# Altium PCB GD32F450_Main_Board(Camera).PcbDoc
Units mil, origin at the board's own origin, x right, y up, seen from the top; angles counter-clockwise.
Board outline 4921.43 x 2952.92 mil, 2 copper layers (Top Layer, Bottom Layer); 74 components, 72 nets, 342 pads, 46 vias.
Unrouted connection lines stored in the file: 67.
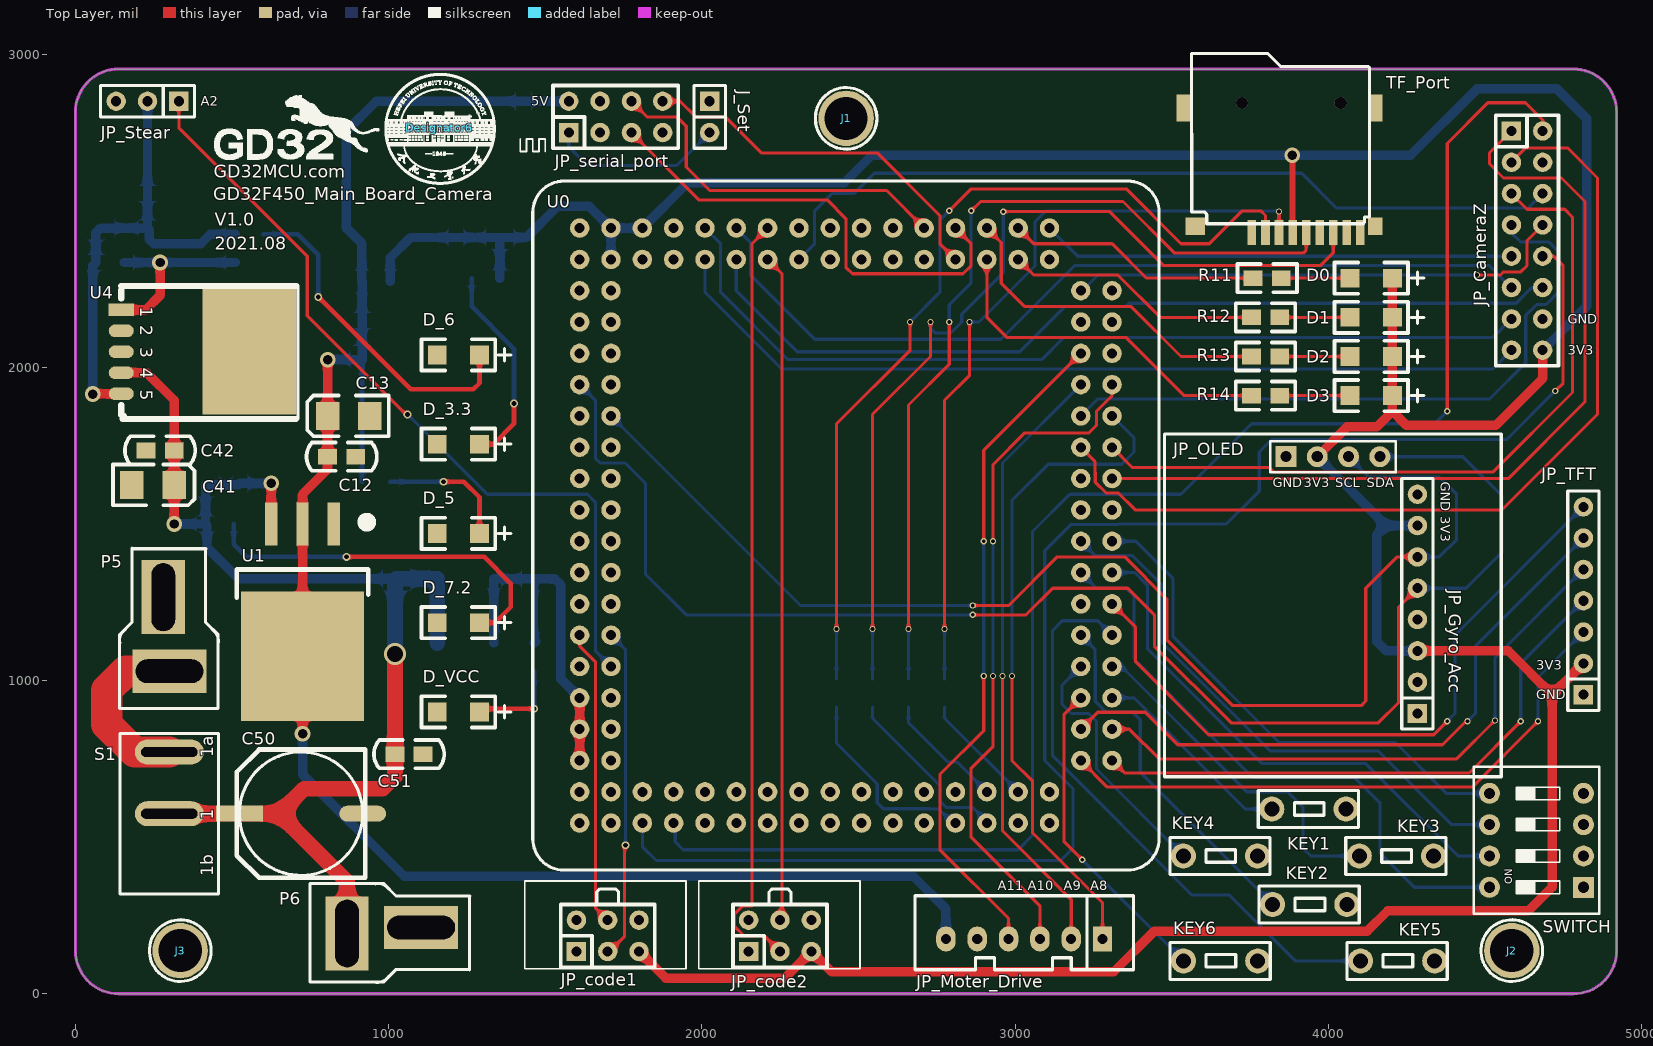
[diagram p0: Top Layer view]
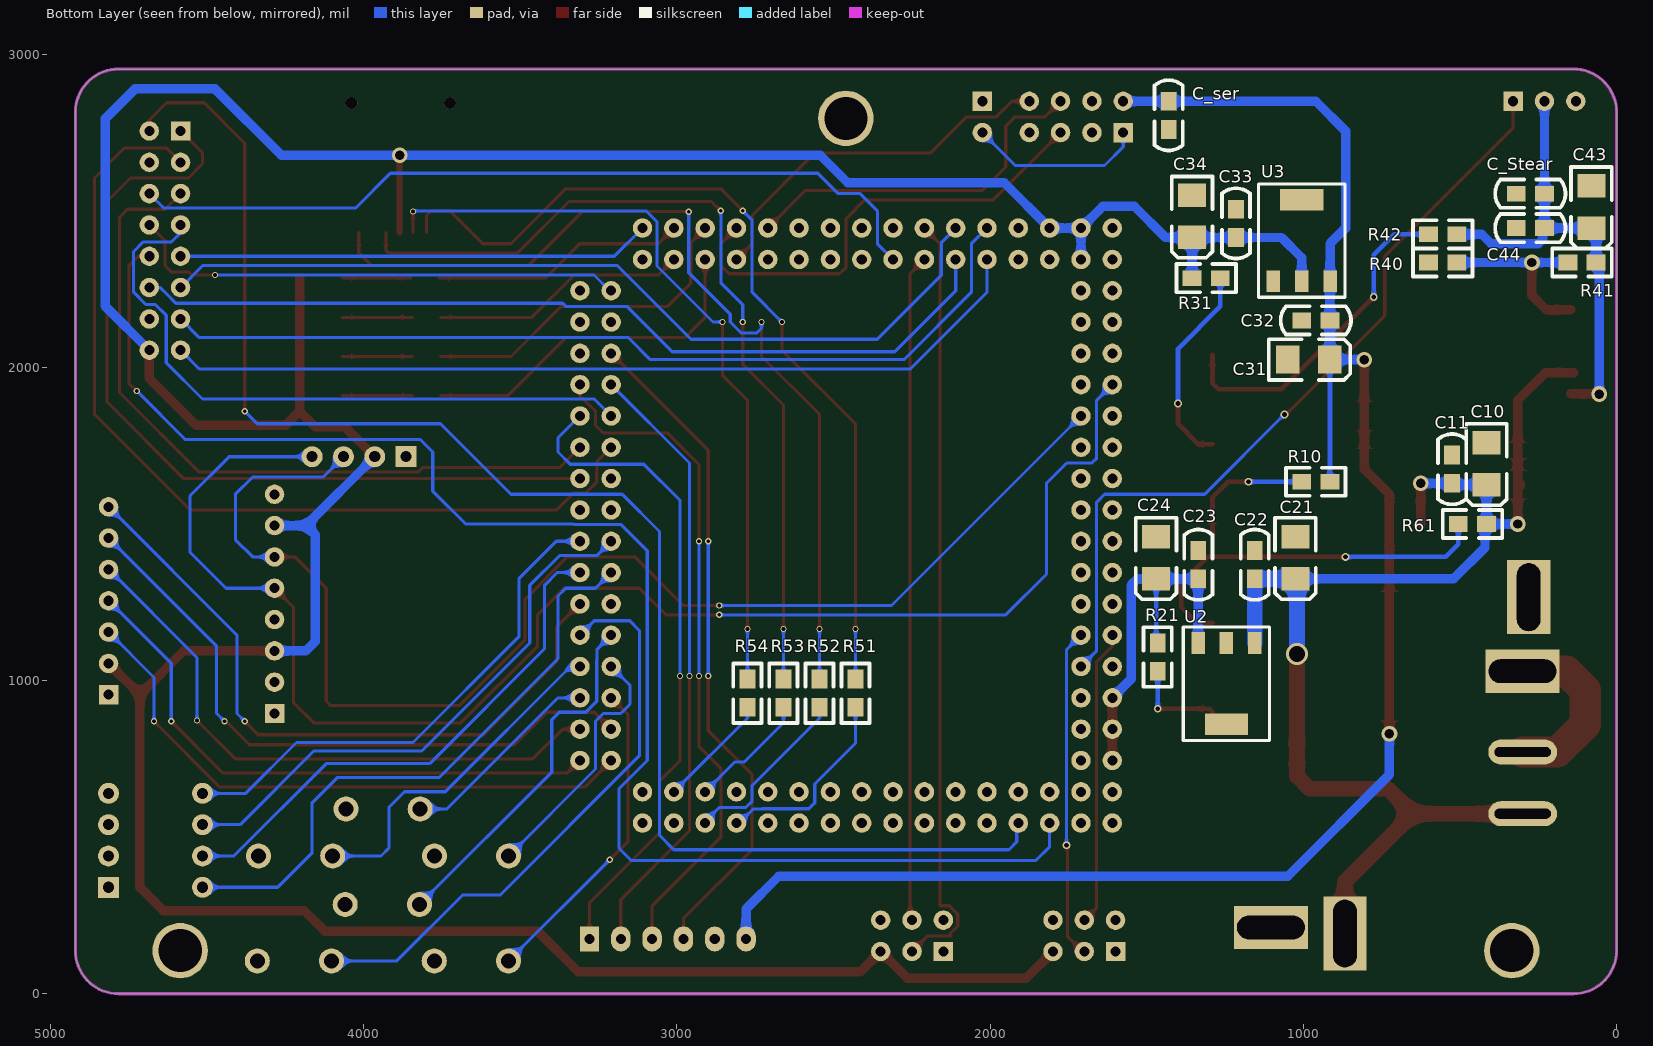
[diagram p1: Bottom Layer view, seen from below]

## Layer stack, top to bottom
Top Solder: solder mask 0.4, Solder Resist, Dk 3.5
Top Layer: signal copper 1.4
Dielectric 1: dielectric 12.6, FR-4, Dk 4.8
Bottom Layer: signal copper 1.4
Bottom Solder: solder mask 0.4, Solder Resist, Dk 3.5

## Board outline
-0.28,137.8 ccw(c137.52,137.8) 137.52,0 4783.19,0 ccw(c4783.19,137.8) 4920.98,137.8 4920.98,2814.96 ccw(c4783.19,2814.96) 4783.19,2952.76 137.52,2952.76 137.52,2952.92 ccw(c137.52,2814.96) -0.44,2814.96 -0.28,2814.96

## Design rules (kind name [scope] priority, off if disabled: settings)
Clearance [All] p1: gap=10 ignorepadtopadclearanceinfootprint=FALSE except(0: Arc-Hole Track-Hole SMDPad-Hole THPad-Hole Via-Hole Fill-Hole Poly-Hole Region-Hole Text-Hole; 9: Arc-Arc Arc-Track Track-Track SMDPad-SMDPad THPad-THPad Via-Via Fill-Fill Fill-Poly Fill-Region Poly-Poly Poly-Region Region-Region Text-Text)
HoleSize [All] p1 off: absolutevalues=TRUE maxlimit=100 minlimit=1 maxpercent=80.000 minpercent=20.000
MinimumSolderMaskSliver [All] p1: minsoldermaskwidth=1
PolygonConnect [All] p1: connectstyle=Relief reliefconductorwidth=10 reliefentries=4 polygonreliefangle="90 Angle" airgapwidth=10
RoutingVias [All] p1: holewidth=28 width=50 viastyle="Through Hole" minholewidth=28 minwidth=50 maxholewidth=28 maxwidth=50
SilkToSilkClearance [All] p1 off: silktosilkclearance=10
SilkToSolderMaskClearance [IsPad] p1 off: minsilkscreentomaskgap=10 clearancetoexposedcopper=TRUE
SolderMaskExpansion [All] p1: expansion=4
Width [All] p1: maxlimit=100 minlimit=10 preferedwidth=30 minimp=50.000000 maximp=50.000000 favimp=50.000000
26 further rules are at their usual default settings.

## Classes and differential pairs
component class GD32F450_Power_Manager(Camera)_V1.0: C10 C11 C12 C13 C21 C22 C23 C24 C31 C32 C33 C34 C41 C42 C43 C44 C50 C51 D_3.3 D_5 D_6 D_7.2 D_VCC P5 P6 R10 R21 R31 R40 R41 R42 R61 S1 U1 U2 U3 U4
component class GD32F450_Main_Board(Camera)_V1.0: J1 J2 J3 JP_OLED KEY1 KEY2 KEY3 KEY4 KEY5 KEY6 SWITCH U0
component class GD32F450_External_Expansion(Camera)_V1.0: C_ser C_Stear D0 D1 D2 D3 J_Set JP_CameraZ JP_code1 JP_code2 JP_Gyro_Acc JP_Moter_Drive JP_serial_port JP_Stear JP_TFT R11 R12 R13 R14 R51 R52 R53 R54 TF_Port

## Components (designator, comment, footprint, x,y, rotation, side; value= is the part's Value field where it differs from the comment)
C10 "22uF/16V" 3528 415,1625 r270 bottom
C11 "0.1uF" 0805C 525,1630 r90 bottom
C12 "0.1uF" 0805C 805,1715 r0 top
C13 "22uF/16V" 3528 805,1845 r180 top
C21 "22uF/16V" 3528 1025,1325 r270 bottom
C22 "0.1uF" 0805C 1155,1325 r90 bottom
C23 "00.1uF" 0805C 1335,1325 r90 bottom
C24 "22uF/16V" 3528 1470,1325 r270 bottom
C31 "22uF/16V" 3528 915,2025 r180 bottom
C32 "0.1uF" 0805C 915,2150 r0 bottom
C33 "0.1uF" 0805C 1215,2415 r90 bottom
C34 "22uF/16V" 3528 1355,2415 r270 bottom
C41 "22uF/16V" 3528 315,1625 r0 top
C42 "0.1uF" 0805C 315,1735 r180 top
C43 "22uF/16V" 3528 80,2445 r270 bottom
C44 "0.1uF" 0805C 230,2445 r0 bottom
C50 "1000uF/50V" "CM F(10*10.2)" 720,575 r180 top
C51 "0.1uF" 0805C 1020,765 r0 top
C_ser "0.1uF" 0805C 1430,2850 r270 bottom
C_Stear "0.1uF" 0805C 230,2555 r0 bottom
D0 "LED" 1206LED 4205,2285 r180 top (schematic designator D1)
D1 "LED" 1206LED 4205,2160 r180 top (schematic designator D2)
D2 "LED" 1206LED 4205,2035 r180 top (schematic designator D3)
D3 "LED" 1206LED 4205,1910 r180 top (schematic designator D4)
D_3.3 "LED" 1206LED 1290,1755 r180 top
D_5 "LED" 1206LED 1290,1470 r180 top
D_6 "LED" 1206LED 1290,2040 r180 top
D_7.2 "LED" 1206LED 1290,1185 r180 top
D_VCC "LED" 1206LED 1290,900 r180 top
Designator6 "Comment" BADGE-355 1161.97,2764.96 r0 top
J1 "CON1" HOLE-3.5 2460.63,2795.28 r0 top
J2 "CON1" HOLE-3.5 4586.34,137.8 r0 top
J3 "CON1" HOLE-3.5 334.37,137.8 r0 top
J_Set "CON2" SIP2 2025,2850 r270 top
JP_CameraZ "HEADER 8X2" IDC16-JLC 4585,2755 r270 top
JP_code1 "HEADER 3X2" IDC6-JLC 1599.37,135 r0 top
JP_code2 "HEADER 3X2" IDC6-JLC 2149.37,135 r0 top
JP_Gyro_Acc "CON8" SIP8 4285,895 r90 top
JP_Moter_Drive "Motor_Drive" SIP6N 3279.37,175 r180 top
JP_OLED "CON4" OLED 3477.6,693 r0 top
JP_serial_port "HEADER 4X2" IDC8-JLC 1575,2750 r0 top
JP_Stear "HEADER3" SIP3 330,2850 r180 top
JP_TFT "CON7" SIP7 4815,955 r90 top
KEY1 "SW-PB" KEY2-6X3 4056.85,590 r180 top
KEY2 "SW-PB" KEY2-6X3 4059.37,285 r180 top
KEY3 "SW-PB" KEY2-6X3 4336.22,440 r180 top
KEY4 "SW-PB" KEY2-6X3 3774.37,440 r180 top
KEY5 "SW-PB" KEY2-6X3 4340,105 r180 top
KEY6 "SW-PB" KEY2-6X3 3775,105 r180 top
P5 "T_Type_Adapter" T_Type_Adapter 282.32,1217.22 r270 top
P6 "T_Type_Adapter" T_Type_Adapter 1054.37,210 r180 top
R10 "2.2K" 0805R 915,1635 r0 bottom
R11 "Res2" 0805R 3850,2285 r180 top value=1K
R12 "Res2" 0805R 3845,2160 r180 top value=1K
R13 "Res2" 0805R 3845,2035 r180 top value=1K
R14 "Res2" 0805R 3845,1910 r180 top value=1K
R21 "2.2K" 0805R 1465,1120 r270 bottom
R31 "2.2K" 0805R 1355,2285 r180 bottom
R40 "910" 0805 600,2335 r180 bottom value=1K
R41 "3.3K" 0805 155,2335 r180 bottom
R42 "2.2K" 0805R 510,2425 r0 bottom
R51 "" 0805R 2430,915 r90 bottom value=3.3K
R52 "" 0805R 2545,915 r90 bottom value=3.3K
R53 "" 0805R 2660,915 r90 bottom value=3.3K
R54 "" 0805R 2775,915 r90 bottom value=3.3K
R61 "2.2K" 0805R 415,1500 r0 bottom
S1 "SW-SPST" SWITCH-MINI 299.37,575 r90 top
SWITCH "SW DIP-4" "CSW DIP-4P" 4665,490 r90 top
TF_Port "LCTH-0002" TF_2 3845,2630 r90 top (schematic designator TF_Header)
U0 "GD32F450_CoreBoard" GD32F450_CoreBoard 1710,545 r90 top
U1 "LM1086IS-5" TO263-3A 725,1255 r270 top
U2 "LM2940IMP-5" SOT-223 1155,1120 r0 bottom
U3 "LM1117-3.3V" SOT-223 1095.55,2275.16 r180 bottom
U4 "LM2941" TO-263 146,2184 r270 top

## Footprints (in the part's own frame and the unit in brackets; to place one, negate y for a bottom-side part, rotate by r counter-clockwise, add the part's x,y. Pads: shape width x height; smd on the part's side, far side on the other; paste and mask are expansions set on the pad)
0805 [mil]
  rect 60x50 smd: 1(0,0) 2(90,0)
  silkscreen extent -50,-45 140,45, body extent 0,-27 90,27, height 30
0805C [mil]
  rect 60x50 smd: 1(0,0) 2(90,0)
  silkscreen extent -67,-45 157,45, body extent 6,-26 84,26, height 29
0805R [mil]
  rect 60x50 smd: 1(0,0) 2(90,0)
  silkscreen extent -50,-45 140,45, body extent 1,-26 91,28, height 30
1206LED [mil]
  rect 60x60 smd: A(0,0) K(135,0)
  silkscreen extent -100,-50 185,50, body extent 5,-32 131,31, height 44
3528 [mil]
  rect 75x90 smd: 1(0,0) 2(-135,0)
  silkscreen extent -195,-65 65,65, body extent -141,-57 5,59, height 80
BADGE-355 [mil]
  silkscreen extent -175,-179 179,175
"CM F(10*10.2)" [mm] "贴片电解电容，直径10mm，高10.2mm"
  rect 3.8x1.3 smd: 1(5,0)
  oval 3.8x1.3 smd: 2(-5,0)
  silkscreen extent -5.2,-5.2 5.2,5.2, body extent -5.8,-5.15 5.8,5.15, height 10.2
"CSW DIP-4P" [mm] "11.7*9.9*7mm"
  rect 1.7x1.7 hole 0.9: 1(-3.81,-3.81)
  round 1.7 hole 0.9: 2(-1.27,-3.81) 3(1.27,-3.81) 4(3.81,-3.81) 5(3.81,3.81) 6(1.27,3.81) 7(-1.27,3.81) 8(-3.81,3.81)
  silkscreen extent -5.97,-5.08 5.97,5.08, body extent -5.86,-4.95 5.86,4.95, height 6.65
GD32F450_CoreBoard [mil]
  round 62 hole 32: 1(1900,100) 2(1900,0) 3(1800,100) 4(1800,0) 5(1700,100) 6(1700,0) 7(1600,100) 8(1600,0) 9(1500,100) 10(1500,0) 11(1400,100) 12(1400,0) 13(1300,100) 14(1300,0) 15(1200,100) 16(1200,0) 17(1100,100) 18(1100,0) 19(1000,100) 20(1000,0) 21(900,100) 22(900,0) 23(800,100) 24(800,0) 25(700,100) 26(700,0) 27(600,100) 28(600,0) 29(500,100) 30(500,0) 31(400,100) 32(400,0) 33(300,100) 34(300,0) 35(200,100) 36(200,0) 37(100,100) 38(100,0) 39(0,100) 40(0,0) 41(0,-100) 42(100,-100) 43(0,-200) 44(100,-200) 45(0,-300) 46(100,-300) 47(0,-400) 48(100,-400) 49(0,-500) 50(100,-500) 51(0,-600) 52(100,-600) 53(0,-700) 54(100,-700) 55(0,-800) 56(100,-800) 57(0,-900) 58(100,-900) 59(0,-1000) 60(100,-1000) 61(0,-1100) 62(100,-1100) 63(0,-1200) 64(100,-1200) 65(0,-1300) 66(100,-1300) 67(0,-1400) 68(100,-1400) 69(200,-1600) 70(200,-1500) 71(300,-1600) 72(300,-1500) 73(400,-1600) 74(400,-1500) 75(500,-1600) 76(500,-1500) 77(600,-1600) 78(600,-1500) 79(700,-1600) 80(700,-1500) 81(800,-1600) 82(800,-1500) 83(900,-1600) 84(900,-1500) 85(1000,-1600) 86(1000,-1500) 87(1100,-1600) 88(1100,-1500) 89(1200,-1600) 90(1200,-1500) 91(1300,-1600) 92(1300,-1500) 93(1400,-1600) 94(1400,-1500) 95(1500,-1600) 96(1500,-1500) 97(1600,-1600) 98(1600,-1500) 99(1700,-1600) 100(1700,-1500) 101(1900,-1400) 102(1800,-1400) 103(1900,-1300) 104(1800,-1300) 105(1900,-1200) 106(1800,-1200) 107(1900,-1100) 108(1800,-1100) 109(1900,-1000) 110(1800,-1000) 111(1900,-900) 112(1800,-900) 113(1900,-800) 114(1800,-800) 115(1900,-700) 116(1800,-700) 117(1900,-600) 118(1800,-600) 119(1900,-500) 120(1800,-500) 121(1900,-400) 122(1800,-400) 123(1900,-300) 124(1800,-300) 125(1900,-200) 126(1800,-200) 127(1900,-100) 128(1800,-100)
  silkscreen extent -150,-1750 2050,250
HOLE-3.5 [mm]
  round 4.5 hole 3.5: 0(0,0)
  silkscreen extent -2.5,-2.5 2.5,2.5
IDC6-JLC [mil]
  rect 62x62 hole 32: 1(0,0)
  round 62 hole 32: 2(0,100) 3(100,0) 4(100,100) 5(200,0) 6(200,100)
  silkscreen extent -50,-50 250,150, body extent -52,-52 248,148, height 313
IDC8-JLC [mil]
  rect 62x62 hole 32: 1(0,0)
  round 62 hole 32: 2(0,100) 3(100,0) 4(100,100) 5(200,0) 6(200,100) 7(300,0) 8(300,100)
  silkscreen extent -50,-50 350,150, body extent -49,-54 351,146, height 142
IDC16-JLC [mil]
  rect 62x62 hole 32: 1(0,0)
  round 62 hole 32: 2(0,100) 3(100,0) 4(100,100) 5(200,0) 6(200,100) 7(300,0) 8(300,100) 9(400,0) 10(400,100) 11(500,0) 12(500,100) 13(600,0) 14(600,100) 15(700,0) 16(700,100)
  silkscreen extent -50,-50 750,150, body extent -52,-44 748,156, height 142
KEY2-6X3 [mil]
  round 80 hole 48: 1(0,0) 2(236.85,0)
  silkscreen extent -40,-59 280,59, body extent -37,-68 271,70, height 170
OLED [mm]
  rect 1.7x1.7 hole 0.9: 1(9.84,25.959)
  round 1.7 hole 0.9: 2(12.38,25.959) 3(14.92,25.959) 4(17.46,25.959)
  silkscreen extent 0,0 27.3,27.8, body extent 0.3,-0.06 27,27.8, height 13.47
SIP2 [mil]
  rect 62x62 hole 32: 1(0,0)
  round 62 hole 32: 2(100,0)
  silkscreen extent -50,-50 150,50, body extent -50,-50 150,50, height 335
SIP3 [mil]
  round 62 hole 32: 2(100,0) 3(200,0)
  rect 62x62 hole 32: PA2(0,0)
  silkscreen extent -50,-50 250,50, body extent -50,-50 250,50, height 335
SIP6N [mil]
  rect 62x80 hole 32: 1(0,0)
  oval 62x80 hole 32: 2(100,0) 3(200,0) 4(300,0) 5(400,0) 6(500,0)
  silkscreen extent -98,-138 598,98, body extent -99,-129 597,95, height 277
SIP7 [mil]
  rect 62x62 hole 32: 1(0,0)
  round 62 hole 32: 2(100,0) 3(200,0) 4(300,0) 5(400,0) 6(500,0) 7(600,0)
  silkscreen extent -50,-50 650,50, body extent -50,-50 650,50, height 335
SIP8 [mil]
  rect 62x62 hole 32: 1(0,0)
  round 62 hole 32: 2(100,0) 3(200,0) 4(300,0) 5(400,0) 6(500,0) 7(600,0) 8(700,0)
  silkscreen extent -50,-50 750,50, body extent -50,-50 750,50, height 335
SOT-223 [mm]
  rect 1.1x1.75 smd: 1(0,0) 2(2.3,0) 3(4.6,0)
  rect 3.5x1.75 smd: 4(2.3,6.6)
  silkscreen extent -1.2,-1.3 5.8,7.9, body extent -0.96,-0.16 5.54,6.86, height 1.65
SWITCH-MINI [mil]
  oval 80x220 hole 31.5 slot 180 at 90 deg: 1(0,0) 2(196.85,0)
  silkscreen extent -256,-157 256,157
T_Type_Adapter [mm]
  rect 6x3.5 hole 1.905 slot 5.49 at 0 deg: 1(-1.245,-0.051)
  rect 3.5x6 hole 1.905 slot 5.49 at 90 deg: 2(4.755,0.449)
  silkscreen extent -5.21,-3.61 7.77,4.42
TF_2 [mm]
  rect 2.2x1.2 smd: 0(5.05,-7.75) 11(5.05,7.75)
  rect 2.032x0.7 smd: 1(-5.05,2.25) 2(-5.05,1.15) 3(-5.05,0.05) 4(-5.05,-1.05) 5(-5.05,-2.15) 6(-5.05,-3.25) 7(-5.05,-4.35) 8(-5.05,-5.45) 9(-5.05,-6.55)
  rect 1.4x1.2 smd: 10(-4.55,-7.75)
  rect 1.4x1.6 smd: 12(-4.55,6.85)
  silkscreen extent -4.35,-7.29 9.47,7.15
TO263-3A [mm] "263，3脚晶体管"
  rect 3.45x1 smd: 1(-6.225,2.54) 2(-6.225,0) 3(-6.225,-2.54)
  rect 10.5x10 smd: 2(4.5,0)
  silkscreen extent -6.75,-5.33 -0.25,5.59, body extent -6.24,-5 8.19,5, height 4.7
TO-263 [mil]
  rect 40x80 smd: 1(0,0)
  oval 40x80 smd: 2(67,0) 3(134,0) 4(201,0) 5(268,0)
  rect 400x300 smd: 6(134,409)
  silkscreen extent -76,0 349,565, body extent -64,-8 330,516, height 177

## Part data
C10 C13 C21 C24 C31 C34 C41 C43 C50: library part "CAPACITOR POL", "Capacitor"
C11 C12 C22 C23 C32 C33 C42 C44 C51 C_ser C_Stear: library part CAP, "Capacitor"
J1 J2 J3 J_Set JP_Gyro_Acc JP_OLED JP_TFT: "Connector"
JP_Moter_Drive: library part CON6, "Connector"
JP_Stear: library part STEER
R10 R21 R31 R42 R61: library part RES2
R11 R12 R13 R14: "Resistor", LatestRevisionDate=17-Jul-2002, LatestRevisionNote="Re-released for DXP Platform.", PackageReference=AXIAL-0.4, Published=8-Jun-2000, Publisher="Altium Limited"
R40 R41 R51 R52 R53 R54: library part Res2, "Resistor", LatestRevisionDate=17-Jul-2002, LatestRevisionNote="Re-released for DXP Platform.", PackageDescription="Axial Device, Thru-Hole; 2 Leads; 0.4 in Pin Spacing", PackageReference=AXIAL-0.4, Published=8-Jun-2000, Publisher="Altium Limited"
SWITCH: "DIP Switch"
TF_Port: library part Component_2
U1: library part LT1086
U2: library part LM1117-3.3V

## Via types
v1: diameter 20, hole 12, Top Layer to Bottom Layer, 29 vias
v2: diameter 50, hole 30, Top Layer to Bottom Layer, 7 vias
v3: diameter 25, hole 15, Top Layer to Bottom Layer, 7 vias
v4: diameter 39.37, hole 39.37, Top Layer to Bottom Layer, 2 vias
v5: diameter 70, hole 50, Top Layer to Bottom Layer, 1 vias

## Nets (pads, with @x,y where several pads share a name; then routed paths per layer and width w, separated by ;. In a path a pad name is that pad's centre, name@x,y a point inside that pad or via, vN(x,y) a via of type N, cw(c..) or ccw(c..) an arc to the next point about the centre after c; other vN are vias at no path point)
3V3: C33.1 C34.1 D0.A D1.A D2.A D3.A JP_CameraZ.16 JP_code1.5 JP_code2.5 JP_Gyro_Acc.3 JP_Gyro_Acc.7 JP_OLED.2 JP_TFT.2 R31.1 TF_Port.4 U0.2 U0.4 U0.127 U3.2 | length 12171.1
  Top Layer w20: v2(3885,2677.5) 3886.34,2676.16 TF_Port.4
  Top Layer w30: JP_code1.5 1884.37,50 2264.37,50 JP_code2.5 2414.37,70 3315,70 3445,200 4125,200 4190,265 4640,265 4715,340 4715,955 ; JP_OLED.2 4060,1810 4155,1810 4205,1860 ; D0.A D1.A D2.A D3.A 4205,1860 ; JP_Gyro_Acc.3 4575,1095 4715,955 ; JP_CameraZ.16 4685,1965 4535,1815 4250,1815 4205,1860 ; JP_TFT.2 4715,955
  Bottom Layer w30: U3.2 1005,2350 1070,2415 C33.1 C34.1 ; R31.1 C34.1 ; U0.4 U0.2 ; JP_OLED.2 4185,1495 ; JP_Gyro_Acc.3 4185,1095 4155,1125 4155,1465 4185,1495 ; JP_Gyro_Acc.7 4185,1495 ; JP_CameraZ.16 4825,2195 4825,2795 4730.75,2889.25 4475,2889.25 4263.25,2677.5 v2(3885,2677.5) 2542.5,2677.5 2455,2590 1955,2590 U0.127 U0.2 ; C34.1 1440,2415 1540,2515 1640,2515 U0.2
5V: C12.1 C13.1 C31.1 C32.1 C_ser.1 JP_Moter_Drive.6 JP_serial_port.2 R10.1 U1.2 U3.3 | length 5686
  Top Layer w30: v2(725,830) 725,1077.83 725,1500.08 725,1595 805,1675 C12.1 C13.1 v2(805,2025)
  Bottom Layer w15: R10.1 C31.1
  Bottom Layer w30: v2(725,830) 725,700 1050,375 2675,375 2779.37,270.63 JP_Moter_Drive.6 ; v2(805,2025) C31.1 C32.1 915,2274.61 U3.3 914.45,2395.55 865,2445 865,2755 960,2850 C_ser.1 JP_serial_port.2
6V: C43.1 C44.1 C_Stear.1 JP_Stear.2 R41.2 R42.1 U4.5 | length 1517.5
  Top Layer w30: v2(55,1915) 56,1916 U4.5
  Bottom Layer w30: v2(55,1915) 55,2325 R41.2 65,2430 C43.1 C44.1 ; JP_Stear.2 C_Stear.1 C44.1 ; R42.1 430,2425 400,2395 250,2395 235,2410 235,2440 C44.1
7.2V: C10.1 C11.1 C21.1 C22.1 C41.1 C42.1 C50.1 C51.1 P6.2 R61.1 S1.1 U1.3 U2.1 U4.4 | length 4115.1
  Top Layer w30: U4.4@136,1983 U4.4 227,1983 315,1895 C42.1 C41.1 ; C41.1@305,1625 315,1615 v2(315,1500) ; U1.3 v2(625,1630)
  Top Layer w50: S1.1 C50.1 650,575 ; P6.2 867.15,357.85 650,575 ; v5(1020,1085) C51.1 1020,695 980,655 730,655 650,575
  Bottom Layer w30: v2(315,1500) R61.1 ; v2(625,1630) C11.1 520,1625 C10.1 R61.1 ; C21.1 520,1325 420,1425 420,1495 R61.1
  Bottom Layer w50: v5(1020,1085) 1020,1320 C21.1 C22.1 U2.1
GND: C10.2 C11.2 C12.2 C13.2 C21.2 C22.2 C23.2 C24.2 C31.2 C32.2 C33.2 C34.2 C41.2 C42.2 C43.2 C44.2 C50.2 C51.2 C_ser.2 C_Stear.2 D_3.3.K D_5.K D_6.K D_7.2.K D_VCC.K J_Set.1 JP_CameraZ.4 JP_CameraZ.14 JP_code1.6 JP_code2.6 JP_Gyro_Acc.1 JP_Gyro_Acc.4 JP_Gyro_Acc.8 JP_Moter_Drive.5 JP_OLED.1 JP_serial_port.3 JP_serial_port.4 JP_Stear.3 JP_TFT.1 KEY1.1 KEY2.1 KEY3.1 KEY4.1 KEY5.1 KEY6.1 P5.1 P6.1 R40.1 SWITCH.1 SWITCH.2 SWITCH.3 SWITCH.4 TF_Port.6 TF_Port.10 TF_Port.11 TF_Port.12 U0.1 U0.3 U0.32 U0.34 U0.36 U0.128 U1.1 U2.2 U3.1 U4.2 U4.3 U4.6
NetD0_K: D0.K R11.1 | length 220
  Top Layer w10: R11.1 D0.K
NetD1_K: D1.K R12.1 | length 225
  Top Layer w10: R12.1 D1.K
NetD2_K: D2.K R13.1 | length 225
  Top Layer w10: R13.1 D2.K
NetD3_K: D3.K R14.1 | length 225
  Top Layer w10: R14.1 D3.K
NetD_3.3_A: D_3.3.A R31.2 | length 657.8
  Top Layer w15: D_3.3.A 1335,1755 1400,1820 v3(1400,1885)
  Bottom Layer w15: R31.2 1265,2195 1400,2060 v3(1400,1885)
NetD_5_A: D_5.A R10.2 | length 420.7
  Top Layer w15: v3(1175,1635) 1240,1635 1290,1585 D_5.A
  Bottom Layer w15: R10.2 v3(1175,1635)
NetD_6_A: D_6.A R42.2 | length 1072.4
  Top Layer w15: v3(775,2225) 1070,1930 1270,1930 1290,1950 D_6.A
  Bottom Layer w15: R42.2 710,2425 775,2360 v3(775,2225)
NetD_7.2_A: D_7.2.A R61.2 | length 1197.5
  Top Layer w15: v3(865,1395) 1305,1395 1390,1310 1390,1235 1340,1185 D_7.2.A
  Bottom Layer w15: R61.2 505,1435 545,1395 v3(865,1395)
NetD_VCC_A: D_VCC.A R21.2 | length 299.1
  Top Layer w15: D_VCC.A 1300,910 v3(1465,910)
  Bottom Layer w15: v3(1465,910) R21.2
NetJ_Set_2: J_Set.2 JP_serial_port.1 | length 563.3
  Bottom Layer w10: JP_serial_port.1 1575,2705 1635,2645 1920,2645 J_Set.2
NetJP_CameraZ_1: JP_CameraZ.1 U0.87 | length 2740.2
  Top Layer w10: U0.87 4575,1645 4820,1890 4820,2530 4745,2605 4560,2605 4515,2650 4515,2685 JP_CameraZ.1
NetJP_CameraZ_2: JP_CameraZ.2 U0.43 | length 4957.2
  Top Layer w10: v1(4380,1860) 4380,2715 4510,2845 4630,2845 4685,2790 JP_CameraZ.2
  Bottom Layer w10: U0.43 1915,540 1915,485 1940,460 3010,460 3056,506 3056,1476 3175,1595 3530,1595 3755,1820 4340,1820 v1(4380,1860)
NetJP_CameraZ_3: JP_CameraZ.3 U0.90 | length 2986.1
  Top Layer w10: U0.90 3255,1700 3255,1666.05 3256,1665.05 3256,1633.95 3290.95,1599 3330,1599 3384,1545 4555,1545 4860,1850 4860,2605 4764,2701 4631,2701 JP_CameraZ.3
NetJP_CameraZ_5: JP_CameraZ.5 U0.89 | length 2413.6
  Top Layer w10: U0.89 3375,1680 3811.86,1680 3825.32,1666.54 4526.54,1666.54 4780,1920 4780,2480 4755,2505 4635,2505 JP_CameraZ.5
  Bottom Layer w10: U0.89@3310,1725 U0.89
NetJP_CameraZ_6: JP_CameraZ.6 U0.118 | length 2615.4
  Bottom Layer w10: U0.118 2360,2395 2360,2500 2415,2555 2485,2555 2550,2620 3915,2620 4026,2509 4639,2509 JP_CameraZ.6
NetJP_CameraZ_7: JP_CameraZ.7 U0.92 | length 2107
  Bottom Layer w10: U0.92 3264,1899 4515.05,1899 4631,2014.95 4631,2166.05 4665.95,2201 4696.05,2201 4735,2239.95 4735,2370.05 4704.05,2401 4614,2401 4585,2430 JP_CameraZ.7
NetJP_CameraZ_8: JP_CameraZ.8 U0.100 | length 1608.8
  Top Layer w10: v1(4475,2295) 4550,2295 4560,2305 4615,2305 4635,2325 4635,2405 JP_CameraZ.8
  Bottom Layer w10: U0.100 3215,2245 3265,2295 v1(4475,2295)
NetJP_CameraZ_9: JP_CameraZ.9 U0.101 | length 1512.3
  Bottom Layer w10: U0.101 3200,2355 JP_CameraZ.9
NetJP_CameraZ_10: JP_CameraZ.10 U0.41 | length 4874.7
  Top Layer w10: JP_CameraZ.10 4720,2355 4750,2325 4750,1950 v1(4725,1925)
  Bottom Layer w10: U0.41 1810,470 1855,425 3145,425 3185,465 3185,655 3095,745 3095,1415 3179,1499 3329.05,1499 3330.05,1500 3675,1500 3780,1605 3780,1730 3820,1770 4570,1770 v1(4725,1925)
NetJP_CameraZ_11: JP_CameraZ.11 U0.121 | length 2809.9
  Bottom Layer w10: U0.121 2155,2400 2155,2366.05 2156,2365.05 2156,2294 2360,2090 2955,2090 3190,2325 4515,2325 JP_CameraZ.11
NetJP_CameraZ_12: JP_CameraZ.12 U0.122 | length 2840.7
  Bottom Layer w10: U0.122 2110,2245 2305,2050 3015,2050 3160,2195 3355,2195 3365,2205 4600.05,2205 4631,2235.95 4631,2236 4650,2255 JP_CameraZ.12
NetJP_CameraZ_13: JP_CameraZ.13 U0.123 | length 2893.6
  Bottom Layer w10: U0.123 2060,2395 2060,2240 2275,2025 3085,2025 3155,2095 4525,2095 JP_CameraZ.13
NetJP_CameraZ_15: JP_CameraZ.15 U0.124 | length 2806.3
  Bottom Layer w10: U0.124 2010,2240 2255,1995 4525,1995 JP_CameraZ.15
NetJP_code1_3: JP_code1.3 U0.28 | length 1055.8
  Top Layer w10: JP_code1.3 1705,135 1753.37,183.37 1753.37,471.37 v3(1756,474)
  Bottom Layer w10: U0.28 1756,1099 v3(1756,474)
NetJP_code1_4: JP_code1.4 U0.27 | length 947
  Top Layer w10: U0.27 1610,1110.05 1660,1060.05 1660,274.37 JP_code1.4
NetJP_code2_3: JP_code2.3 U0.119 | length 2479.5
  Top Layer w10: U0.119 2160,2395 2160,281 2130.32,281 2103.37,254.05 2103.37,215.95 2129.66,189.66 2125,185 2199.37,185 JP_code2.3
NetJP_code2_4: JP_code2.4 U0.120 | length 2131.8
  Top Layer w10: U0.120 2256,2299 2256,241.63 JP_code2.4
NetJP_Moter_Drive_1: JP_Moter_Drive.1 U0.91 | length 2118.6
  Top Layer w10: v1(2990,1015) 2990,745 3055,680 3056,680 3056,514 3279.37,290.63 JP_Moter_Drive.1
  Bottom Layer w10: v1(2990,1015) 2990,1575 3106,1691 3341,1691 3380,1730 3380,1775 U0.91
NetJP_Moter_Drive_2: JP_Moter_Drive.2 U0.94 | length 1964.4
  Top Layer w10: v1(2960,1015) 2960,520 3179.37,300.63 JP_Moter_Drive.2
  Bottom Layer w10: v1(2960,1015) 2960,1695 U0.94
NetJP_Moter_Drive_3: JP_Moter_Drive.3 U0.93 | length 2167.4
  Top Layer w10: v1(2930,1015) 2930,790 2860,720 2860,500 3079.37,280.63 JP_Moter_Drive.3 ; v1(2930,1445) 2930,1690 3031,1791 3236,1791 3260,1815 3260,1860.05 3290.95,1891 3291,1891 3310,1910 U0.93
  Bottom Layer w10: v1(2930,1015) v1(2930,1445)
NetJP_Moter_Drive_4: JP_Moter_Drive.4 U0.96 | length 2147.3
  Top Layer w10: v1(2900,1015) 2900,840 2760,700 2760,460 2979.37,240.63 JP_Moter_Drive.4 ; v1(2900,1445) 2900,1735 U0.96
  Bottom Layer w10: v1(2900,1015) v1(2900,1445)
NetJP_serial_port_5: JP_serial_port.5 U0.107 | length 1514.1
  Top Layer w10: JP_serial_port.5 1990,2535 2400,2535 2460,2475 2460,2320 2481,2299 2834,2299 2860,2325 2860,2395 U0.107
NetJP_serial_port_6: JP_serial_port.6 U0.109 | length 1178.9
  Top Layer w10: JP_serial_port.6 1825,2800 1920,2800 1950,2770 1950,2640 2025,2565 2590,2565 U0.109
NetJP_serial_port_8: JP_serial_port.8 U0.108 | length 1196.9
  Top Layer w10: JP_serial_port.8 1930,2850 1980,2800 2075,2800 2190,2685 2560,2685 2760,2485 2760,2395 U0.108
NetJP_Stear_1: JP_Stear.PA2 U0.30 | length 2567
  Top Layer w10: JP_Stear.PA2 330,2765 740,2355 740,2165 1055,1850 v3(1060,1850)
  Bottom Layer w10: v3(1060,1850) 1315,1595 1635,1595 1660,1570 1660,1095 U0.30
NetJP_TFT_3: JP_TFT.3 U0.70 | length 1927.3
  Top Layer w10: U0.70 3295,660 4460,660 v1(4670,870)
  Bottom Layer w10: v1(4670,870) 4670,1010 JP_TFT.3
NetJP_TFT_4: JP_TFT.4 U0.69 | length 1857.8
  Top Layer w10: U0.69 3350,705 4450,705 v1(4615,870)
  Bottom Layer w10: v1(4615,870) 4615,1055 JP_TFT.4
NetJP_TFT_5: JP_TFT.5 U0.71 | length 1912.1
  Top Layer w10: U0.71 3365,845 3460,750 4410,750 v1(4532.5,872.5)
  Bottom Layer w10: v1(4532.5,872.5) 4532.5,1072.5 JP_TFT.5
NetJP_TFT_6: JP_TFT.6 U0.72 | length 2076.8
  Top Layer w10: U0.72 3264,899 3416,899 3520,795 4365,795 4445,875 v1(4445,870)
  Bottom Layer w10: v1(4445,870) 4470,895 4470,1110 JP_TFT.6
NetJP_TFT_7: JP_TFT.7 U0.79 | length 2190.4
  Top Layer w10: U0.79 3385,1170 3385,1060 3617.78,827.22 4337.22,827.22 v1(4380,870)
  Bottom Layer w10: v1(4380,870) 4405,895 4405,1145 JP_TFT.7
NetP5_2: P5.2 S1.2 | length 570.7
  Top Layer w100: S1.2 188.15,771.85 100,860 100,970 160,1030 P5.2
NetR11_2: R11.2 U0.103 | length 816.3
  Top Layer w10: U0.103 3060,2395 3310,2395 3420,2285 R11.2
NetR12_2: R12.2 U0.104 | length 821.6
  Top Layer w10: U0.104 3060,2295 3328.59,2295 3463.59,2160 R12.2
NetR13_2: R13.2 U0.105 | length 1091
  Top Layer w10: U0.105 2956,2399 2956,2269 3030,2195 3370,2195 3530,2035 R13.2
NetR14_2: R14.2 U0.106 | length 1133.6
  Top Layer w10: U0.106 2910,2160 2975,2095 3355,2095 3540,1910 R14.2
NetR40_2: R40.2 R41.1 U4.1 | length 603.1
  Top Layer w30: U4.1 224,2184 270,2230 v2(270,2335)
  Bottom Layer w30: R41.1 v2(270,2335) R40.2
NetR51_1: R51.1 U0.61 | length 635.8
  Bottom Layer w10: R51.1 2430,800 2560,670 2560,610 2579,591 2729.05,591 2730.05,590 2756.72,590 2801.72,545 U0.61
NetR52_1: R52.1 U0.63 | length 571
  Bottom Layer w10: R52.1 2545,880 2760,665 2760,615 2780,595 2865,595 2910,550 U0.63
NetR53_1: R53.1 U0.64 | length 391.1
  Bottom Layer w10: R53.1 2660,865 2785,740 2815,740 U0.64
NetR54_1: R54.1 U0.66 | length 367.3
  Bottom Layer w10: R54.1 2775,880 U0.66
PD8: KEY6.2 U0.74 | length 1036.8
  Top Layer w10: U0.74 3156,891 3156,487.15 v1(3215,428.15)
  Bottom Layer w10: v1(3215,428.15) KEY6.2 KEY6.2@3522,105
PD9: KEY1.2 U0.73 | length 657
  Bottom Layer w10: U0.73 3380,945 3735,590 KEY1.2
PD10: KEY4.2 U0.76 | length 822.6
  Bottom Layer w10: U0.76 3150,985 3150,925 3180,895 3235,895 3260,870 3260,717.52 KEY4.2
PD11: KEY3.2 U0.75 | length 1116.1
  Bottom Layer w10: U0.75 3340,1045 3740,645 3870,645 3920,595 3920,465 3945,440 KEY3.2
PD12: KEY2.2 U0.78 | length 1163.5
  Bottom Layer w10: U0.78 3255,1100 3255,1066.05 3256,1065.05 3256,933.95 3290.95,899 3376,899 3400,875 3400,707.52 KEY2.2
PD13: KEY5.2 U0.77 | length 1876.4
  Bottom Layer w10: U0.77 3264,1191 3151,1191 3120,1160 3120,760 3565,315 3685,315 3895,105 KEY5.2
PF0: JP_Gyro_Acc.5 JP_OLED.4 U0.11 | length 4825.8
  Top Layer w10: v1(2865,1210) 3035,1210 3120,1295 3360,1295 3445,1210 3445,1110 3690,865 4160,865 4225,930 4225,1235 JP_Gyro_Acc.5
  Bottom Layer w10: U0.11 1660,1895 1660,1710 1675,1695 1755,1695 1820,1630 1820,1340 1950,1210 v1(2865,1210) ; JP_OLED.4 4430,1715 4555,1590 4555,1410 4440,1295 JP_Gyro_Acc.5
PF1: JP_Gyro_Acc.6 JP_OLED.3 U0.14 | length 4257.8
  Top Layer w10: v1(2865,1240) 2980,1240 3135,1395 3350,1395 3485,1260 3485,1130 3695,920 4105,920 4120,935 4120,1295 4220,1395 JP_Gyro_Acc.6
  Bottom Layer w10: U0.14 2315,1240 v1(2865,1240) ; JP_OLED.3 4130,1650 4355,1650 4410,1595 4410,1450 4355,1395 JP_Gyro_Acc.6
PG2: SWITCH.8 U0.82 | length 1932.2
  Bottom Layer w10: U0.82 3260,1295 3355,1295 3380,1270 3380,1070 3760,690 4085,690 4165,610 4165,450 4275,340 SWITCH.8
PG3: SWITCH.7 U0.81 | length 1698.5
  Bottom Layer w10: U0.81 3382.5,1345 3422.5,1305 3422.5,1102.5 3790,735 4120,735 4415,440 SWITCH.7
PG4: SWITCH.6 U0.84 | length 1787.6
  Bottom Layer w10: U0.84 3256,1399 3375,1399 3470,1304 3470,1120 3815,775 4160,775 4395,540 SWITCH.6
PG5: SWITCH.5 U0.83 | length 1646.8
  Bottom Layer w10: U0.83 3385,1445 3505,1325 3505,1140 3842.78,802.22 4215,802.22 4377.22,640 SWITCH.5
"SPI3 MISO": R52.2 TF_Port.7 | length 2971.9
  Top Layer w10: v1(2545,1165) 2545,1850 2730,2035 v1(2730,2145) ; v1(2962.5,2497.5) 3302.5,2497.5 3475,2325 3975,2325 4016.26,2366.26 TF_Port.7
  Bottom Layer w10: R52.2 v1(2545,1165) ; v1(2730,2145) 2730,2125 2745,2110 2795,2110 2830,2145 2830,2170 2962.5,2302.5 v1(2962.5,2497.5)
"SPI3 MOSI": R54.2 TF_Port.3 | length 2458.5
  Top Layer w10: v1(2775,1165) 2775,1895 2855,1975 v1(2855,2145) ; TF_Port.3 v1(3843.03,2498.03)
  Bottom Layer w10: R54.2 v1(2775,1165) ; v1(2855,2145) 2885,2145 3064,2324 3064,2465.05 3098.95,2500 3841.06,2500 v1(3843.03,2498.03)
"SPI3 NSS": R51.2 TF_Port.2 | length 2859
  Top Layer w10: v1(2430,1165) 2430,1820 2665,2055 v1(2665,2145) ; v1(2790,2500) 2860,2570 3355,2570 3530,2395 3620,2395 3725,2500 3785,2500 3799.72,2485.28 TF_Port.2
  Bottom Layer w10: R51.2 v1(2430,1165) ; v1(2665,2145) 2760,2240 2760,2470 v1(2790,2500)
"SPI3 SCK": R53.2 TF_Port.5 | length 2788.8
  Top Layer w10: v1(2660,1165) 2660,1880 2790,2010 v1(2790,2145) ; v1(2860,2500) 2890,2530 3345,2530 3510,2365 3920,2365 3929.65,2374.65 TF_Port.5
  Bottom Layer w10: R53.2 v1(2660,1165) ; v1(2790,2145) 2790,2200 2860,2270 v1(2860,2500)
VCC: C23.1 C24.1 R21.1 U0.31 U0.33 U0.35 U2.3 | length 1220.7
  Top Layer w30: U0.35 U0.33 U0.31
  Bottom Layer w15: R21.1@1470,1125 C24.1
  Bottom Layer w30: U2.3 1336.1,1323.9 C23.1 C24.1 1530,1325 1550,1305 1550,1005 U0.31 ; R21.1 R21.1@1470,1125
pads on no net: J1.0 J2.0 J3.0 JP_code1.1 JP_code1.2 JP_code2.1 JP_code2.2 JP_Gyro_Acc.2 JP_serial_port.7 TF_Port.0 TF_Port.1 TF_Port.8 TF_Port.9 U0.5 U0.6 U0.7 U0.8 U0.9 U0.10 U0.12 U0.13 U0.15 U0.16 U0.17 U0.18 U0.19 U0.20 U0.21 U0.22 U0.23 U0.24 U0.25 U0.26 U0.29 U0.37 U0.38 U0.39 U0.40 U0.42 U0.44 U0.45 U0.46 U0.47 U0.48 U0.49 U0.50 U0.51 U0.52 U0.53 U0.54 U0.55 U0.56 U0.57 U0.58 U0.59 U0.60 U0.62 U0.65 U0.67 U0.68 U0.80 U0.85 U0.86 U0.88 U0.95 U0.97 U0.98 U0.99 U0.102 U0.110 U0.111 U0.112 U0.113 U0.114 U0.115 U0.116 U0.117 U0.125 U0.126 U2.4 U3.4
copper on no net:
  other v4: 3724.92,2844.57 4039.88,2844.57

## Keep-outs
Keep-Out Layer:
  lines w10: -0.44,2814.96 cw(c137.52,2814.96) 137.52,2952.92 ; -0.28,2814.96 -0.28,137.8 ccw(c137.52,137.8) 137.52,0 4783.19,0 ccw(c4783.19,137.8) 4920.98,137.8 4920.98,2814.96 ccw(c4783.19,2814.96) 4783.19,2952.76 137.52,2952.76
Mechanical 1:
  lines w10: -0.44,2814.96 cw(c137.52,2814.96) 137.52,2952.92 ; -0.28,2814.96 -0.28,137.8 ccw(c137.52,137.8) 137.52,0 4783.19,0 ccw(c4783.19,137.8) 4920.98,137.8 4920.98,2814.96 ccw(c4783.19,2814.96) 4783.19,2952.76 137.52,2952.76

## Silkscreen, mask and mechanical layers (free items; w line width, h text height)
Top Overlay:
  drawing of 843 lines, arcs and shapes, not listed
  text "A2" at 400,2835 h30
  text "5V" at 1455,2835 h30
  text "GD32MCU.com" at 441,2591 h70
  text "GD32F450_Main_Board_Camera" at 440,2520 h70
  text "V1.0" at 445,2438.8 h70
  text "2021.08" at 445,2362 h70
  text "GND" at 4765,2140 h30
  text "3V3" at 4765,2040 h30
  text "GND" at 4360,1635 h30 r270
  text "3V3" at 4360,1525 h30 r270
  text "3V3" at 4665,1035 h30
  text "GND" at 4665,940 h30
  text "A11" at 2945,330 h30
  text "A10" at 3040,330 h30
  text "A9" at 3155,330 h30
  text "A8" at 3240,330 h30

## Dimensions
137.52,2952.76 to 137.52,0 on Keep-Out Layer
-0.28,2814.96 to 4920.98,2814.96 on Keep-Out Layer

## Text inside footprints (layer, text, board x,y; h text height)
JP_OLED: Top Overlay "SDA" at 4122.6,1618 h30; Top Overlay "SCL" at 4022.6,1618 h30; Top Overlay "3V3" at 3922.6,1618 h30; Top Overlay "GND" at 3822.6,1618 h30
S1: Top Overlay "1a" at 439.37,755 h40 r90; Top Overlay "1" at 439.37,555 h40 r90; Top Overlay "1b" at 439.37,375 h40 r90
SWITCH: Top Overlay "ON" at 4595,350 h40 r90
U4: Top Overlay "1" at 206,2194 h40 r270; Top Overlay "3" at 206,2064 h40 r270; Top Overlay "5" at 206,1929 h40 r270; Top Overlay "2" at 206,2134 h40 r270; Top Overlay "4" at 206,1999 h40 r270